# KiCad board protoboard-6x4-breakout.kicad_pcb (continued)
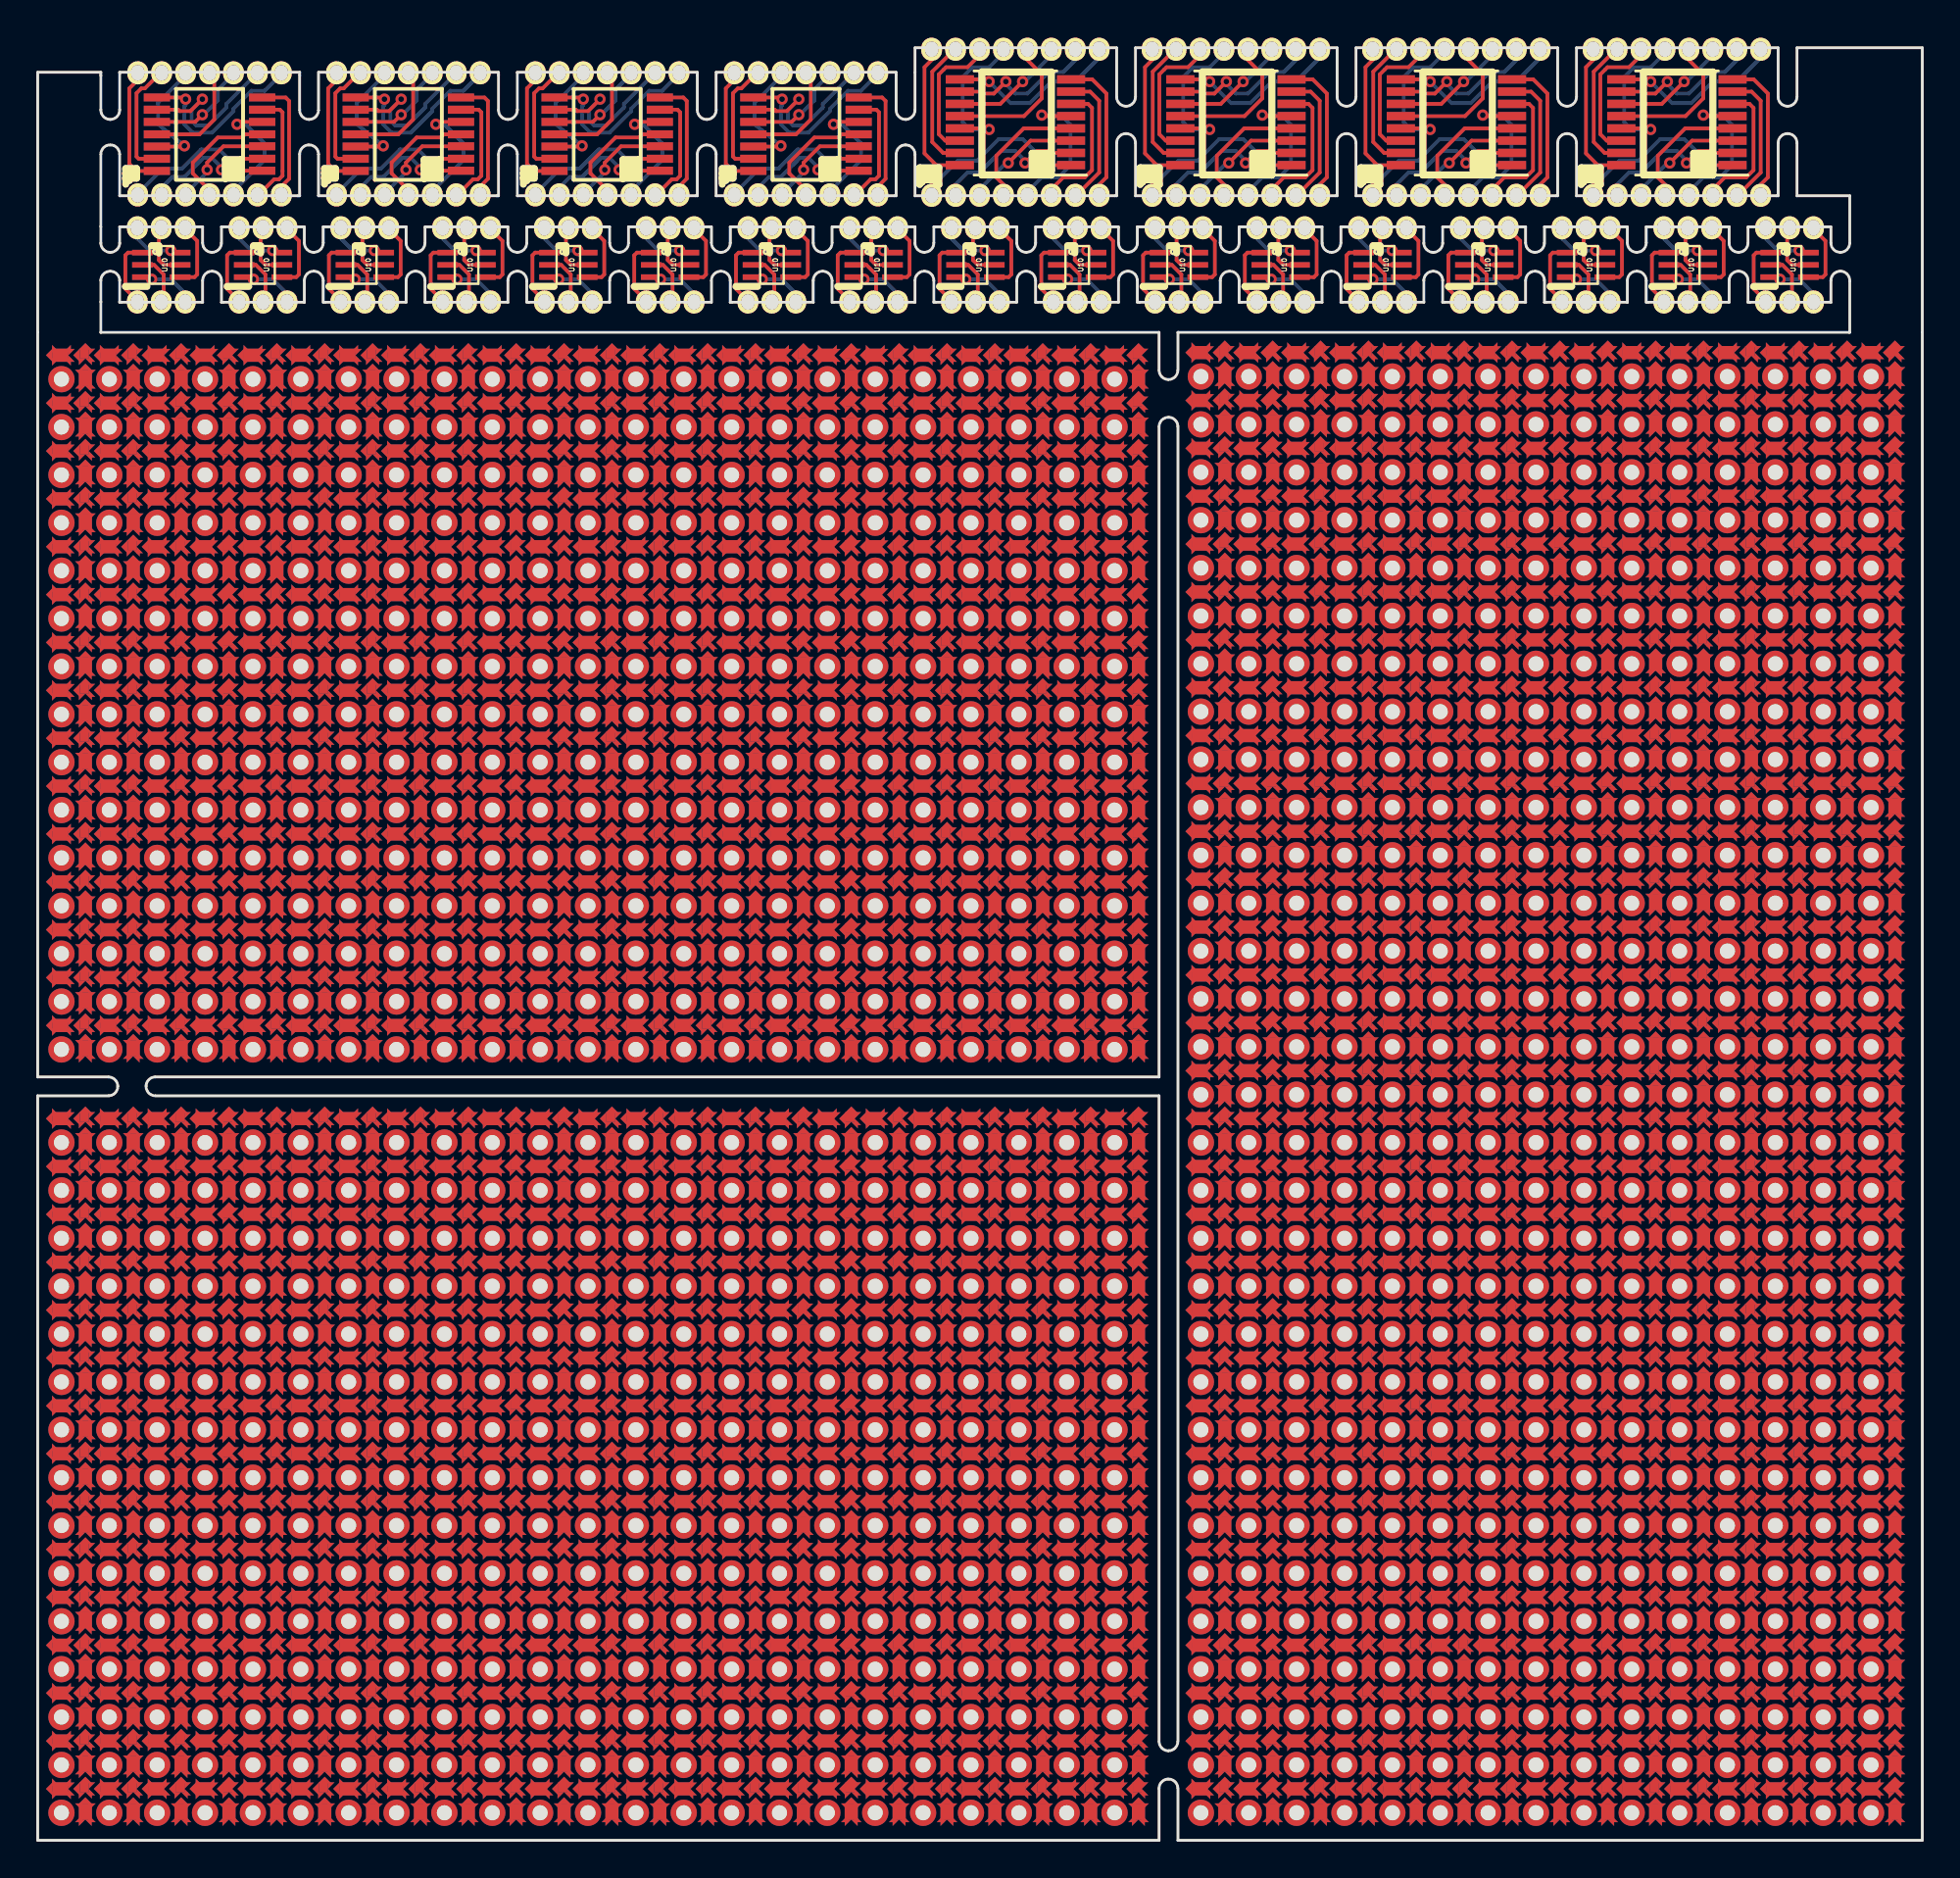
[diagram p0: board, top side]
## Nets (continued)

## Via types
v1: diameter 0.6, hole 0.3, Front to Back, 98 vias

## Routing (per net, layer and track width the routed paths; a pad name or vN(x,y) marks a point on that pad's centre or on a via; arc(x,y) is an arc through that point)
GND: length 57.1
  Front w0.2: U11.8 55.96,93.42 56.71,92.67 56.71,88.23 56.32,87.85 J2#2.8 ; NOREF#9.7 12.93,87.74 13.34,88.15 13.34,92.28 13.16,92.47 NOREF#5.7 ; NOREF#62.7 23.71,92.47 23.89,92.28 23.89,88.15 23.48,87.74 NOREF#55.7 ; NOREF#77.7 44.58,87.74 44.99,88.15 44.99,92.28 44.81,92.47 NOREF#73.7 ; NOREF#82.7 34.26,92.47 34.44,92.28 34.44,88.15 34.03,87.74 NOREF#78.7 ; J2#3.8 68.03,87.85 68.41,88.23 68.41,92.67 67.66,93.42 U11#2.8 ; U11#3.8 79.35,93.42 80.11,92.67 80.11,88.23 79.72,87.85 J2#6.8 ; J2#7.8 91.43,87.85 91.81,88.23 91.81,92.67 91.06,93.42 U11#4.8
VCC: length 57.3
  Front w0.2: U11.16 47.68,88.88 47.05,89.5 47.05,94.07 47.44,94.45 J1#2.8 ; NOREF#8.7 5.31,93.39 4.86,92.95 4.86,88.95 5.24,88.57 NOREF#5.14 ; NOREF#76.7 36.96,93.39 36.51,92.95 36.51,88.95 36.89,88.57 NOREF#73.14 ; NOREF#82.14 26.34,88.57 25.96,88.95 25.96,92.95 26.41,93.39 NOREF#79.7 ; J1#3.8 59.13,94.45 58.75,94.07 58.75,89.5 59.38,88.88 U11#2.16 ; U11#3.16 71.08,88.88 70.45,89.5 70.45,94.07 70.84,94.45 J1#6.8 ; J1#7.8 82.53,94.45 82.15,94.07 82.15,89.5 82.78,88.88 U11#4.16 ; NOREF#62.14 15.79,88.57 15.41,88.95 15.41,92.95 15.86,93.39 NOREF#56.7
N-0000021: length 23.1
  Front w0.2: NOREF#5.10 8.36,91.17 v1(8.74,91.55) ; v1(19.29,91.55) 18.91,91.17 NOREF#62.10 ; NOREF#73.10 40.01,91.17 v1(40.39,91.55) ; v1(29.84,91.55) 29.46,91.17 NOREF#82.10
  Back w0.2: v1(8.74,91.55) 8.8,91.55 9.56,92.31 9.56,92.88 NOREF#8.3 10.39,93.39 ; 20.94,93.39 NOREF#56.3 20.11,92.88 20.11,92.31 19.35,91.55 v1(19.29,91.55) ; v1(40.39,91.55) 40.45,91.55 41.21,92.31 41.21,92.88 NOREF#76.3 42.04,93.39 ; 31.49,93.39 NOREF#79.3 30.66,92.88 30.66,92.31 29.9,91.55 v1(29.84,91.55)
N-0000023: length 26.2
  Front w0.2: v1(7.78,89.9) 7.57,89.86 NOREF#5.12 ; NOREF#62.12 18.12,89.86 v1(18.33,89.9) ; v1(39.43,89.9) 39.22,89.86 NOREF#73.12 ; NOREF#82.12 28.67,89.86 v1(28.88,89.9)
  Back w0.2: NOREF#8.5 7.85,93.65 6.39,92.19 6.39,91.04 v1(7.78,89.9) ; v1(18.33,89.9) 16.94,91.04 16.94,92.19 18.4,93.65 NOREF#56.5 ; NOREF#76.5 39.5,93.65 38.04,92.19 38.04,91.04 v1(39.43,89.9) ; v1(28.88,89.9) 27.49,91.04 27.49,92.19 28.95,93.65 NOREF#79.5
N-0000029: length 123.8
  Front w0.2: 7.56,82.93 8.32,82.93 8.46,83.08 8.46,84.85 NOREF#3.1 ; 5.56,84.23 4.79,84.23 4.65,84.09 4.65,82.31 NOREF#4.1 ; 12.96,82.93 13.72,82.93 13.86,83.08 13.86,84.85 13.23,85.49 ; NOREF#10.1 10.05,82.31 10.05,84.09 10.19,84.23 10.96,84.23 ; 21.76,84.23 20.99,84.23 20.85,84.09 20.85,82.31 NOREF#17.1 ; NOREF#16.1 24.66,84.85 24.66,83.08 24.52,82.93 23.76,82.93 ; 18.36,82.93 19.12,82.93 19.26,83.08 19.26,84.85 NOREF#19.1 ; NOREF#18.1 15.45,82.31 15.45,84.09 15.59,84.23 16.36,84.23 ; 37.96,84.23 37.19,84.23 37.05,84.09 37.05,82.31 37.69,81.68 ; NOREF#24.1 40.86,84.85 40.86,83.08 40.72,82.93 39.96,82.93 ; 45.36,82.93 46.12,82.93 46.26,83.08 46.26,84.85 NOREF#27.1 ; NOREF#26.1 42.45,82.31 42.45,84.09 42.59,84.23 43.36,84.23 ; 32.56,84.23 31.79,84.23 31.65,84.09 31.65,82.31 32.29,81.68 ; NOREF#32.1 35.46,84.85 35.46,83.08 35.32,82.93 34.56,82.93 ; 29.16,82.93 29.92,82.93 30.06,83.08 30.06,84.85 NOREF#35.1 ; NOREF#34.1 26.25,82.31 26.25,84.09 26.39,84.23 27.16,84.23 ; 70.36,84.23 69.59,84.23 69.45,84.09 69.45,82.31 NOREF#41.1 ; NOREF#40.1 73.26,84.85 73.26,83.08 73.12,82.93 72.36,82.93 ; 77.76,82.93 78.52,82.93 78.66,83.08 78.66,84.85 NOREF#43.1 ; NOREF#42.1 74.85,82.31 74.85,84.09 74.99,84.23 75.76,84.23 ; 86.56,84.23 85.79,84.23 85.65,84.09 85.65,82.31 86.29,81.68 ; NOREF#48.1 89.46,84.85 89.46,83.08 89.32,82.93 88.56,82.93 ; 83.16,82.93 83.92,82.93 84.06,83.08 84.06,84.85 NOREF#51.1 ; NOREF#50.1 80.25,82.31 80.25,84.09 80.39,84.23 81.16,84.23 ; 59.56,84.23 58.79,84.23 58.65,84.09 58.65,82.31 59.29,81.68 ; NOREF#88.1 62.46,84.85 62.46,83.08 62.32,82.93 61.56,82.93 ; 66.96,82.93 67.72,82.93 67.86,83.08 67.86,84.85 NOREF#61.1 ; 64.69,81.68 64.05,82.31 64.05,84.09 64.19,84.23 64.96,84.23 ; 54.16,84.23 53.39,84.23 53.25,84.09 53.25,82.31 NOREF#68.1 ; NOREF#67.1 57.06,84.85 57.06,83.08 56.92,82.93 56.16,82.93 ; 50.76,82.93 51.52,82.93 51.66,83.08 51.66,84.85 NOREF#70.1 ; NOREF#69.1 47.85,82.31 47.85,84.09 47.99,84.23 48.76,84.23 ; 91.96,84.23 91.19,84.23 91.05,84.09 91.05,82.31 91.69,81.68 ; NOREF#85.1 94.86,84.85 94.86,83.08 94.72,82.93 93.96,82.93
N-0000030: length 100.3
  Front w0.2: 5.56,83.58 6.18,83.58 6.68,83.08 6.68,81.81 ; 6.68,81.81 NOREF#4.2 6.68,81.81 ; 7.56,83.58 6.68,83.58 6.43,83.84 6.43,85.36 NOREF#3.2 ; 12.08,81.81 NOREF#10.2 12.08,81.81 ; 12.08,81.81 12.08,83.08 11.58,83.58 10.96,83.58 ; NOREF#11.2 11.83,85.36 11.83,83.84 12.08,83.58 12.96,83.58 ; 23.76,83.58 22.88,83.58 22.63,83.84 22.63,85.36 NOREF#16.2 ; 21.76,83.58 22.38,83.58 22.88,83.08 22.88,81.81 ; 22.88,81.81 NOREF#17.2 22.88,81.81 ; 17.48,81.81 NOREF#18.2 17.48,81.81 ; 17.48,81.81 17.48,83.08 16.98,83.58 16.36,83.58 ; NOREF#19.2 17.23,85.36 17.23,83.84 17.48,83.58 18.36,83.58 ; 39.96,83.58 39.08,83.58 38.83,83.84 38.83,85.36 NOREF#24.2 ; 37.96,83.58 38.58,83.58 39.08,83.08 39.08,81.81 ; 39.08,81.81 NOREF#25.2 39.08,81.81 ; 44.48,81.81 NOREF#26.2 44.48,81.81 ; 44.48,81.81 44.48,83.08 43.98,83.58 43.36,83.58 ; NOREF#27.2 44.23,85.36 44.23,83.84 44.48,83.58 45.36,83.58 ; 34.56,83.58 33.68,83.58 33.43,83.84 33.43,85.36 NOREF#32.2 ; 32.56,83.58 33.18,83.58 33.68,83.08 33.68,81.81 ; 33.68,81.81 NOREF#33.2 33.68,81.81 ; 28.28,81.81 NOREF#34.2 28.28,81.81 ; 28.28,81.81 28.28,83.08 27.78,83.58 27.16,83.58 ; NOREF#35.2 28.03,85.36 28.03,83.84 28.28,83.58 29.16,83.58 ; 72.36,83.58 71.48,83.58 71.23,83.84 71.23,85.36 NOREF#40.2 ; 70.36,83.58 70.98,83.58 71.48,83.08 71.48,81.81 ; 71.48,81.81 NOREF#41.2 71.48,81.81 ; 76.88,81.81 NOREF#42.2 76.88,81.81 ; 76.88,81.81 76.88,83.08 76.38,83.58 75.76,83.58 ; NOREF#43.2 76.63,85.36 76.63,83.84 76.88,83.58 77.76,83.58 ; 88.56,83.58 87.68,83.58 87.43,83.84 87.43,85.36 NOREF#48.2 ; 86.56,83.58 87.18,83.58 87.68,83.08 87.68,81.81 ; 87.68,81.81 NOREF#49.2 87.68,81.81 ; 82.28,81.81 NOREF#50.2 82.28,81.81 ; 82.28,81.81 82.28,83.08 81.78,83.58 81.16,83.58 ; NOREF#51.2 82.03,85.36 82.03,83.84 82.28,83.58 83.16,83.58 ; 61.56,83.58 60.68,83.58 60.43,83.84 60.43,85.36 NOREF#88.2 ; 59.56,83.58 60.18,83.58 60.68,83.08 60.68,81.81 ; 60.68,81.81 NOREF#58.2 60.68,81.81 ; 66.08,81.81 NOREF#60.2 66.08,81.81 ; 66.08,81.81 66.08,83.08 65.58,83.58 64.96,83.58 ; NOREF#61.2 65.83,85.36 65.83,83.84 66.08,83.58 66.96,83.58 ; 56.16,83.58 55.28,83.58 55.03,83.84 55.03,85.36 NOREF#67.2 ; 54.16,83.58 54.78,83.58 55.28,83.08 55.28,81.81 ; 55.28,81.81 NOREF#68.2 55.28,81.81 ; 49.88,81.81 NOREF#69.2 49.88,81.81 ; 49.88,81.81 49.88,83.08 49.38,83.58 48.76,83.58 ; NOREF#70.2 49.63,85.36 49.63,83.84 49.88,83.58 50.76,83.58 ; 93.96,83.58 93.08,83.58 92.83,83.84 92.83,85.36 NOREF#85.2 ; 91.96,83.58 92.58,83.58 93.08,83.08 93.08,81.81 ; 93.08,81.81 NOREF#86.2 93.08,81.81
N-0000032: length 110.2
  Front w0.2: 7.56,84.23 7.18,84.23 v1(7.06,84.35) ; v1(6.05,82.82) 5.94,82.93 5.56,82.93 ; v1(12.47,84.35) 12.58,84.23 12.96,84.23 ; 10.96,82.93 11.34,82.93 v1(11.45,82.82) ; v1(22.25,82.82) 22.14,82.93 21.76,82.93 ; 23.76,84.23 23.38,84.23 v1(23.26,84.35) ; v1(17.87,84.35) 17.98,84.23 18.36,84.23 ; 16.36,82.93 16.74,82.93 v1(16.85,82.82) ; v1(38.45,82.82) 38.34,82.93 37.96,82.93 ; 39.96,84.23 39.58,84.23 v1(39.47,84.35) ; v1(44.87,84.35) 44.98,84.23 45.36,84.23 ; 43.36,82.93 43.74,82.93 v1(43.85,82.82) ; v1(33.05,82.82) 32.94,82.93 32.56,82.93 ; 34.56,84.23 34.18,84.23 v1(34.06,84.35) ; v1(28.66,84.35) 28.78,84.23 29.16,84.23 ; 27.16,82.93 27.54,82.93 v1(27.65,82.82) ; v1(70.85,82.82) 70.74,82.93 70.36,82.93 ; 72.36,84.23 71.98,84.23 v1(71.87,84.35) ; v1(77.26,84.35) 77.38,84.23 77.76,84.23 ; 75.76,82.93 76.14,82.93 v1(76.25,82.82) ; v1(87.05,82.82) 86.94,82.93 86.56,82.93 ; 88.56,84.23 88.18,84.23 v1(88.06,84.35) ; v1(82.66,84.35) 82.78,84.23 83.16,84.23 ; 81.16,82.93 81.54,82.93 v1(81.65,82.82) ; v1(60.05,82.82) 59.94,82.93 59.56,82.93 ; 61.56,84.23 61.18,84.23 v1(61.06,84.35) ; v1(92.45,82.82) 92.34,82.93 91.96,82.93 ; 93.96,84.23 93.58,84.23 v1(93.47,84.35) ; v1(55.66,84.35) 55.78,84.23 56.16,84.23 ; v1(50.26,84.35) 50.38,84.23 50.76,84.23 ; 54.16,82.93 54.54,82.93 v1(54.65,82.82) ; v1(49.25,82.82) 49.14,82.93 48.76,82.93 ; 66.96,84.23 66.58,84.23 v1(66.47,84.35) ; 64.96,82.93 65.34,82.93 v1(65.45,82.82)
  Back w0.2: v1(7.06,84.35) 5.92,84.35 5.29,84.98 NOREF#3.3 ; v1(6.05,82.82) 7.06,82.82 7.83,82.06 ; 7.83,82.06 NOREF#4.3 7.83,82.06 ; v1(12.47,84.35) 11.32,84.35 10.69,84.98 NOREF#11.3 ; v1(11.45,82.82) 12.47,82.82 13.23,82.06 ; 13.23,82.06 13.23,81.68 13.23,82.06 ; 24.03,82.06 23.26,82.82 v1(22.25,82.82) ; 24.03,82.06 NOREF#17.3 24.03,82.06 ; NOREF#16.3 21.49,84.98 22.12,84.35 v1(23.26,84.35) ; v1(17.87,84.35) 16.72,84.35 16.09,84.98 NOREF#19.3 ; v1(16.85,82.82) 17.87,82.82 18.63,82.06 ; 18.63,82.06 NOREF#18.3 18.63,82.06 ; 40.23,82.06 39.47,82.82 v1(38.45,82.82) ; 40.23,82.06 NOREF#25.3 40.23,82.06 ; 37.69,85.49 37.69,84.98 38.32,84.35 v1(39.47,84.35) ; v1(44.87,84.35) 43.72,84.35 43.09,84.98 NOREF#27.3 ; v1(43.85,82.82) 44.87,82.82 45.63,82.06 ; 45.63,82.06 NOREF#26.3 45.63,82.06 ; 34.83,82.06 34.06,82.82 v1(33.05,82.82) ; 34.83,82.06 NOREF#33.3 34.83,82.06 ; 32.29,85.49 32.29,84.98 32.92,84.35 v1(34.06,84.35) ; v1(28.66,84.35) 27.52,84.35 26.89,84.98 NOREF#35.3 ; v1(27.65,82.82) 28.66,82.82 29.43,82.06 ; 29.43,82.06 NOREF#34.3 29.43,82.06 ; 72.63,82.06 71.87,82.82 v1(70.85,82.82) ; 72.63,82.06 NOREF#41.3 72.63,82.06 ; NOREF#40.3 70.09,84.98 70.72,84.35 v1(71.87,84.35) ; v1(77.26,84.35) 76.12,84.35 75.49,84.98 NOREF#43.3 ; v1(76.25,82.82) 77.26,82.82 78.03,82.06 ; 78.03,82.06 NOREF#42.3 78.03,82.06 ; 88.83,82.06 88.06,82.82 v1(87.05,82.82) ; 88.83,82.06 NOREF#49.3 88.83,82.06 ; 86.29,85.49 86.29,84.98 86.92,84.35 v1(88.06,84.35) ; v1(82.66,84.35) 81.52,84.35 80.89,84.98 NOREF#51.3 ; v1(81.65,82.82) 82.66,82.82 83.43,82.06 ; 83.43,82.06 NOREF#50.3 83.43,82.06 ; 61.83,82.06 61.06,82.82 v1(60.05,82.82) ; 61.83,82.06 NOREF#58.3 61.83,82.06 ; 59.29,85.49 59.29,84.98 59.92,84.35 v1(61.06,84.35) ; 51.03,82.06 50.26,82.82 v1(49.25,82.82) ; 51.03,82.06 NOREF#69.3 51.03,82.06 ; 94.23,82.06 93.47,82.82 v1(92.45,82.82) ; 94.23,82.06 NOREF#86.3 94.23,82.06 ; 91.69,85.49 91.69,84.98 92.32,84.35 v1(93.47,84.35) ; NOREF#67.3 53.89,84.98 54.52,84.35 v1(55.66,84.35) ; v1(54.65,82.82) 55.66,82.82 56.43,82.06 ; 67.23,82.06 NOREF#60.3 67.23,82.06 ; 67.23,82.06 66.47,82.82 v1(65.45,82.82) ; 56.43,82.06 NOREF#68.3 56.43,82.06 ; v1(66.47,84.35) 65.32,84.35 64.69,84.98 64.69,85.49 ; v1(50.26,84.35) 49.12,84.35 48.49,84.98 NOREF#70.3
N-0000055: length 26.1
  Front w0.2: NOREF#5.4 11,90.51 10.83,90.34 9.56,90.34 8.23,89.01 8.23,88.44 9.12,87.55 ; 9.12,87.55 NOREF#9.4 9.12,87.55 ; 19.67,87.55 NOREF#55.4 19.67,87.55 ; 19.67,87.55 18.78,88.44 18.78,89.01 20.11,90.34 21.38,90.34 21.55,90.51 NOREF#62.4 ; 40.77,87.55 39.88,88.44 39.88,89.01 41.21,90.34 42.48,90.34 42.65,90.51 NOREF#73.4 ; 40.77,87.55 NOREF#77.4 40.77,87.55 ; 30.22,87.55 NOREF#78.4 30.22,87.55 ; 30.22,87.55 29.33,88.44 29.33,89.01 30.66,90.34 31.93,90.34 32.1,90.51 NOREF#82.4
N-0000056: length 31.9
  Front w0.2: NOREF#5.2 10.95,89.21 10.9,89.27 10.13,89.27 9.75,88.76 v1(9.75,88.63) ; v1(20.3,88.63) 20.3,88.76 20.68,89.27 21.45,89.27 21.5,89.21 NOREF#62.2 ; NOREF#73.2 42.6,89.21 42.55,89.27 41.78,89.27 41.4,88.76 v1(41.4,88.63) ; v1(30.85,88.63) 30.85,88.76 31.23,89.27 32,89.27 32.05,89.21 NOREF#82.2
  Back w0.2: 8.61,89.07 7.78,88.25 7.15,88.25 6.58,87.68 NOREF#9.2 ; 8.61,89.07 8.8,89.27 9.24,89.27 9.75,88.76 v1(9.75,88.63) 9.69,88.69 ; 8.61,89.07 8.42,88.88 ; NOREF#9.2 6.58,87.74 ; NOREF#9.2 6.58,87.55 ; 17.13,87.55 NOREF#55.2 ; NOREF#55.2 17.13,87.74 ; NOREF#55.2 17.13,87.68 17.7,88.25 18.33,88.25 19.16,89.07 ; 20.24,88.69 v1(20.3,88.63) 20.3,88.76 19.79,89.27 19.35,89.27 19.16,89.07 ; 18.97,88.88 19.16,89.07 ; 40.26,89.07 39.43,88.25 38.8,88.25 38.23,87.68 NOREF#77.2 ; 40.26,89.07 40.45,89.27 40.89,89.27 41.4,88.76 v1(41.4,88.63) 41.34,88.69 ; 40.26,89.07 40.07,88.88 ; NOREF#77.2 38.23,87.74 ; NOREF#77.2 38.23,87.55 ; 27.68,87.55 NOREF#78.2 ; NOREF#78.2 27.68,87.74 ; NOREF#78.2 27.68,87.68 28.25,88.25 28.88,88.25 29.71,89.07 ; 30.79,88.69 v1(30.85,88.63) 30.85,88.76 30.34,89.27 29.9,89.27 29.71,89.07 ; 29.52,88.88 29.71,89.07
N-0000057: length 35.7
  Front w0.2: NOREF#5.9 7.45,91.82 7.53,91.74 8.1,91.74 v1(8.74,92.38) ; v1(19.29,92.38) 18.65,91.74 18.08,91.74 18,91.82 NOREF#62.9 ; NOREF#73.9 39.1,91.82 39.18,91.74 39.75,91.74 v1(40.39,92.38) ; v1(29.84,92.38) 29.2,91.74 28.63,91.74 28.55,91.82 NOREF#82.9
  Back w0.2: v1(8.74,92.38) 8.17,91.81 8.17,91.23 8.42,90.98 9.05,90.98 10.01,91.93 10.01,92.12 11.59,93.71 NOREF#8.2 ; NOREF#56.2 22.14,93.71 20.56,92.12 20.56,91.93 19.6,90.98 18.97,90.98 18.72,91.23 18.72,91.81 v1(19.29,92.38) ; v1(40.39,92.38) 39.81,91.81 39.81,91.23 40.07,90.98 40.7,90.98 41.66,91.93 41.66,92.12 43.24,93.71 NOREF#76.2 ; NOREF#79.2 32.69,93.71 31.11,92.12 31.11,91.93 30.15,90.98 29.52,90.98 29.26,91.23 29.26,91.81 v1(29.84,92.38)
N-0000058: length 32.6
  Front w0.2: NOREF#5.1 10.57,88.58 v1(10.51,88.63) ; v1(21.06,88.63) 21.12,88.58 NOREF#62.1 ; NOREF#73.1 42.22,88.58 v1(42.16,88.63) ; v1(31.61,88.63) 31.67,88.58 NOREF#82.1
  Back w0.2: v1(10.51,88.63) 10.51,88.82 9.63,89.71 8.67,89.71 7.66,88.69 6.64,88.69 NOREF#9.1 ; NOREF#55.1 17.19,88.69 18.21,88.69 19.22,89.71 20.18,89.71 21.06,88.82 v1(21.06,88.63) ; v1(42.16,88.63) 42.16,88.82 41.28,89.71 40.32,89.71 39.31,88.69 38.29,88.69 NOREF#77.1 ; NOREF#78.1 27.74,88.69 28.76,88.69 29.77,89.71 30.73,89.71 31.61,88.82 v1(31.61,88.63)
N-0000059: length 21.6
  Front w0.2: v1(8.99,88.63) 8.99,89.01 9.85,89.87 NOREF#5.3 ; v1(19.54,88.63) 19.54,89.01 20.4,89.87 NOREF#62.3 ; v1(40.64,88.63) 40.64,89.01 41.5,89.87 NOREF#73.3 ; NOREF#82.3 30.95,89.87 30.09,89.01 v1(30.09,88.63)
  Back w0.2: v1(8.99,88.63) 8.99,88.5 NOREF#9.3 ; NOREF#55.3 19.54,88.5 v1(19.54,88.63) ; v1(40.64,88.63) 40.64,88.5 NOREF#77.3 ; NOREF#78.3 30.09,88.5 v1(30.09,88.63)
N-0000060: length 24.9
  Front w0.2: NOREF#5.6 12.85,91.82 12.99,91.68 12.99,88.31 12.8,88.12 12.55,88.12 11.78,87.36 NOREF#9.6 ; NOREF#55.6 22.33,87.36 23.1,88.12 23.35,88.12 23.54,88.31 23.54,91.68 23.4,91.82 NOREF#62.6 ; NOREF#73.6 44.5,91.82 44.64,91.68 44.64,88.31 44.45,88.12 44.2,88.12 43.43,87.36 NOREF#77.6 ; NOREF#78.6 32.88,87.36 33.65,88.12 33.9,88.12 34.09,88.31 34.09,91.68 33.95,91.82 NOREF#82.6
N-0000061: length 39.2
  Front w0.2: NOREF#5.8 7.76,92.47 v1(7.85,92.38) ; NOREF#73.8 39.41,92.47 v1(39.5,92.38) ; v1(28.95,92.38) 28.86,92.47 NOREF#82.8 ; v1(18.4,92.38) 18.31,92.47 NOREF#62.8
  Back w0.2: v1(7.85,92.38) 7.85,92.06 7.78,92 7.78,91.04 8.23,90.6 9.24,90.6 10.39,91.74 10.39,91.87 11.34,92.82 12.04,92.82 NOREF#8.1 12.93,93.52 ; v1(39.5,92.38) 39.5,92.06 39.43,92 39.43,91.04 39.88,90.6 40.89,90.6 42.04,91.74 42.04,91.87 42.99,92.82 43.69,92.82 NOREF#76.1 44.58,93.52 ; 34.03,93.52 NOREF#79.1 33.14,92.82 32.44,92.82 31.49,91.87 31.49,91.74 30.34,90.6 29.33,90.6 28.88,91.04 28.88,92 28.95,92.06 v1(28.95,92.38) ; 23.48,93.52 NOREF#56.1 22.59,92.82 21.89,92.82 20.94,91.87 20.94,91.74 19.79,90.6 18.78,90.6 18.33,91.04 18.33,92 18.4,92.06 v1(18.4,92.38)
N-0000062: length 24.6
  Front w0.2: NOREF#5.11 8.58,90.51 9.37,91.3 9.37,93.46 NOREF#8.4 9.12,93.46 ; NOREF#73.11 40.23,90.51 41.02,91.3 41.02,93.46 NOREF#76.4 40.77,93.46 ; 30.22,93.46 NOREF#79.4 30.47,93.46 30.47,91.3 29.68,90.51 NOREF#82.11 ; 19.67,93.46 NOREF#56.4 19.92,93.46 19.92,91.3 19.13,90.51 NOREF#62.11
N-0000063: length 25
  Front w0.2: NOREF#8.6 6.45,93.71 5.69,92.95 5.5,92.95 5.24,92.69 5.24,89.33 5.36,89.21 NOREF#5.13 ; NOREF#76.6 38.1,93.71 37.34,92.95 37.15,92.95 36.89,92.69 36.89,89.33 37.01,89.21 NOREF#73.13 ; NOREF#82.13 26.46,89.21 26.34,89.33 26.34,92.69 26.6,92.95 26.79,92.95 27.55,93.71 NOREF#79.6 ; NOREF#56.6 17,93.71 16.24,92.95 16.05,92.95 15.79,92.69 15.79,89.33 15.91,89.21 NOREF#62.13
N-0000064: length 26.5
  Front w0.2: NOREF#5.5 10.7,91.17 v1(10.58,91.04) ; NOREF#73.5 42.35,91.17 v1(42.23,91.04) ; v1(31.68,91.04) 31.81,91.17 NOREF#82.5 ; v1(21.13,91.04) 21.25,91.17 NOREF#62.5
  Back w0.2: v1(10.58,91.04) 11.02,91.04 12.04,90.03 12.04,89.14 10.39,87.49 NOREF#9.5 ; v1(42.23,91.04) 42.67,91.04 43.69,90.03 43.69,89.14 42.04,87.49 NOREF#77.5 ; NOREF#78.5 31.49,87.49 33.14,89.14 33.14,90.03 32.12,91.04 v1(31.68,91.04) ; NOREF#55.5 20.94,87.49 22.59,89.14 22.59,90.03 21.57,91.04 v1(21.13,91.04)
Net-(J1-Pad1): length 37.2
  Front w0.2: v1(50.48,93.31) 50.37,93.42 U11.9 ; v1(62.18,93.31) 62.07,93.42 U11#2.9 ; U11#3.9 73.77,93.42 v1(73.88,93.31) ; v1(85.58,93.31) 85.47,93.42 U11#4.9
  Back w0.2: J1#2.1 56.32,94.58 55.06,93.31 53.78,93.31 52.64,92.17 51.63,92.17 v1(50.48,93.31) ; v1(62.18,93.31) 63.33,92.17 64.34,92.17 65.49,93.31 66.75,93.31 68.03,94.58 J1#3.1 ; J1#6.1 79.72,94.58 78.46,93.31 77.19,93.31 76.04,92.17 75.03,92.17 v1(73.88,93.31) ; v1(85.58,93.31) 86.73,92.17 87.74,92.17 88.88,93.31 90.16,93.31 91.43,94.58 J1#7.1
Net-(J1-Pad2): length 32
  Front w0.2: v1(51.37,93.31) 50.74,92.67 50.1,92.67 50,92.78 U11.10 ; v1(63.07,93.31) 62.44,92.67 61.8,92.67 61.7,92.78 U11#2.10 ; U11#3.10 73.4,92.78 73.5,92.67 74.14,92.67 v1(74.77,93.31) ; v1(86.47,93.31) 85.84,92.67 85.2,92.67 85.1,92.78 U11#4.10
  Back w0.2: J1#2.2 55.06,94.45 54.42,93.82 53.66,93.82 52.51,92.67 51.88,92.67 51.37,93.18 v1(51.37,93.31) ; v1(63.07,93.31) 63.07,93.18 63.58,92.67 64.22,92.67 65.36,93.82 66.12,93.82 66.75,94.45 J1#3.2 ; J1#6.2 78.46,94.45 77.82,93.82 77.06,93.82 75.91,92.67 75.28,92.67 74.77,93.18 v1(74.77,93.31) ; v1(86.47,93.31) 86.47,93.18 86.98,92.67 87.62,92.67 88.76,93.82 89.52,93.82 90.16,94.45 J1#7.2
Net-(J1-Pad3): length 24.7
  Front w0.2: v1(52.26,93.31) 51.08,92.12 U11.11 ; v1(63.96,93.31) 62.78,92.12 U11#2.11 ; U11#3.11 74.48,92.12 v1(75.66,93.31) ; v1(87.36,93.31) 86.18,92.12 U11#4.11
  Back w0.2: J1#2.3 53.78,94.71 52.39,93.31 v1(52.26,93.31) ; v1(63.96,93.31) 64.09,93.31 65.49,94.71 J1#3.3 ; J1#6.3 77.19,94.71 75.79,93.31 v1(75.66,93.31) ; v1(87.36,93.31) 87.49,93.31 88.88,94.71 J1#7.3
Net-(J1-Pad4): length 30.4
  Front w0.2: U11.12 52.33,91.47 53.28,92.42 53.28,93.69 52.51,94.45 J1#2.4 ; J1#3.4 64.22,94.45 64.98,93.69 64.98,92.42 64.03,91.47 U11#2.12 ; U11#3.12 75.73,91.47 76.68,92.42 76.68,93.69 75.91,94.45 J1#6.4 ; 87.62,94.96 87.62,94.45 88.38,93.69 88.38,92.42 87.43,91.47 U11#4.12
Net-(J1-Pad5): length 33.4
  Front w0.2: v1(50.48,90.77) 50.43,90.83 U11.13 ; v1(62.18,90.77) 62.13,90.83 U11#2.13 ; U11#3.13 73.83,90.83 v1(73.88,90.77) ; v1(85.58,90.77) 85.53,90.83 U11#4.13
  Back w0.2: 62.94,94.96 62.94,94.83 62.18,94.07 61.29,94.07 60.79,93.56 60.79,91.15 61.17,90.77 v1(62.18,90.77) ; v1(73.88,90.77) 72.87,90.77 72.49,91.15 72.49,93.56 72.99,94.07 73.88,94.07 74.65,94.83 J1#6.5 ; J1#7.5 86.34,94.83 85.58,94.07 84.69,94.07 84.19,93.56 84.19,91.15 84.57,90.77 v1(85.58,90.77) ; v1(50.48,90.77) 49.47,90.77 49.09,91.15 49.09,93.56 49.59,94.07 50.48,94.07 51.25,94.83 J1#2.5
Net-(J1-Pad6): length 30.6
  Front w0.2: U11.14 48.16,90.17 47.82,90.52 47.82,93.69 48.2,94.07 49.34,94.07 49.97,94.71 J1#2.6 49.97,94.58 ; U11#2.14 59.86,90.17 59.52,90.52 59.52,93.69 59.9,94.07 61.04,94.07 61.68,94.71 J1#3.6 61.68,94.58 ; 73.38,94.58 J1#6.6 73.38,94.71 72.74,94.07 71.6,94.07 71.22,93.69 71.22,90.52 71.56,90.17 U11#3.14 ; U11#4.14 83.26,90.17 82.92,90.52 82.92,93.69 83.3,94.07 84.44,94.07 85.07,94.71 J1#7.6 85.07,94.58
Net-(J1-Pad7): length 28.6
  Front w0.2: U11.15 48.04,89.53 47.47,90.1 47.47,93.83 48.59,94.96 J1#2.7 ; J1#3.7 60.29,94.96 59.17,93.83 59.17,90.1 59.74,89.53 U11#2.15 ; U11#3.15 71.44,89.53 70.87,90.1 70.87,93.83 71.99,94.96 J1#6.7 ; J1#7.7 83.69,94.96 82.57,93.83 82.57,90.1 83.14,89.53 U11#4.15
Net-(J2-Pad1): length 38.2
  Front w0.2: v1(53.28,88.99) 53.39,88.88 U11.1 ; U11#2.1 65.09,88.88 v1(64.98,88.99) ; v1(76.68,88.99) 76.79,88.88 U11#3.1 ; U11#4.1 88.49,88.88 v1(88.38,88.99)
  Back w0.2: J2#2.1 47.44,87.72 48.83,89.12 49.85,89.12 50.99,90.26 52.26,90.26 53.28,89.25 v1(53.28,88.99) ; v1(64.98,88.99) 64.98,89.25 63.96,90.26 62.69,90.26 61.55,89.12 60.53,89.12 59.13,87.72 J2#3.1 ; J2#6.1 70.84,87.72 72.23,89.12 73.25,89.12 74.39,90.26 75.66,90.26 76.68,89.25 v1(76.68,88.99) ; v1(88.38,88.99) 88.38,89.25 87.36,90.26 86.09,90.26 84.95,89.12 83.93,89.12 82.53,87.72 J2#7.1
Net-(J2-Pad2): length 32
  Front w0.2: v1(52.39,88.99) 53.02,89.63 53.78,89.63 53.89,89.53 U11.2 ; U11#2.2 65.59,89.53 65.49,89.63 64.72,89.63 v1(64.09,88.99) ; v1(75.79,88.99) 76.42,89.63 77.19,89.63 77.29,89.53 U11#3.2 ; U11#4.2 88.99,89.53 88.88,89.63 88.12,89.63 v1(87.49,88.99)
  Back w0.2: J2#2.2 48.71,87.85 49.34,88.48 49.97,88.48 51.12,89.63 51.88,89.63 52.39,89.12 v1(52.39,88.99) ; v1(64.09,88.99) 64.09,89.12 63.58,89.63 62.82,89.63 61.68,88.48 61.04,88.48 60.41,87.85 J2#3.2 ; J2#6.2 72.1,87.85 72.74,88.48 73.38,88.48 74.52,89.63 75.28,89.63 75.79,89.12 v1(75.79,88.99) ; v1(87.49,88.99) 87.49,89.12 86.98,89.63 86.22,89.63 85.07,88.48 84.44,88.48 83.81,87.85 J2#7.2
Net-(J2-Pad3): length 24.7
  Front w0.2: v1(51.5,88.99) 52.68,90.17 U11.3 ; U11#2.3 64.38,90.17 v1(63.2,88.99) ; v1(74.9,88.99) 76.08,90.17 U11#3.3 ; U11#4.3 87.78,90.17 v1(86.6,88.99)
  Back w0.2: J2#2.3 49.97,87.59 51.37,88.99 v1(51.5,88.99) ; v1(63.2,88.99) 63.07,88.99 61.68,87.59 J2#3.3 ; J2#6.3 73.38,87.59 74.77,88.99 v1(74.9,88.99) ; v1(86.6,88.99) 86.47,88.99 85.07,87.59 J2#7.3
Net-(J2-Pad4): length 27
  Front w0.2: J2#2.4 51.25,87.85 50.86,88.23 50.86,89.37 52.32,90.83 U11.4 ; U11#2.4 64.02,90.83 62.56,89.37 62.56,88.23 62.94,87.85 62.94,87.34 ; J2#6.4 74.65,87.85 74.26,88.23 74.26,89.37 75.72,90.83 U11#3.4 ; U11#4.4 87.42,90.83 85.96,89.37 85.96,88.23 86.34,87.85 J2#7.4
Net-(J2-Pad5): length 35.4
  Front w0.2: v1(53.28,91.53) 53.33,91.47 U11.5 ; U11#2.5 65.03,91.47 v1(64.98,91.53) ; v1(76.68,91.53) 76.73,91.47 U11#3.5 ; U11#4.5 88.43,91.47 v1(88.38,91.53)
  Back w0.2: 52.51,87.72 J2#2.5 52.51,87.47 53.28,88.23 54.17,88.23 54.8,88.86 54.8,91.02 54.29,91.53 v1(53.28,91.53) ; v1(64.98,91.53) 65.99,91.53 66.5,91.02 66.5,88.86 65.87,88.23 64.98,88.23 64.22,87.47 J2#3.5 64.22,87.72 ; 75.91,87.72 J2#6.5 75.91,87.47 76.68,88.23 77.57,88.23 78.2,88.86 78.2,91.02 77.69,91.53 v1(76.68,91.53) ; v1(88.38,91.53) 89.39,91.53 89.9,91.02 89.9,88.86 89.27,88.23 88.38,88.23 87.62,87.47 87.62,87.34 87.62,87.72
Net-(J2-Pad6): length 29.4
  Front w0.2: U11.6 55.73,92.12 55.94,91.91 55.94,88.61 55.56,88.23 54.42,88.23 53.78,87.59 J2#2.6 ; J2#3.6 65.49,87.59 66.12,88.23 67.26,88.23 67.64,88.61 67.64,91.91 67.43,92.12 U11#2.6 ; U11#3.6 79.13,92.12 79.34,91.91 79.34,88.61 78.96,88.23 77.82,88.23 77.19,87.59 J2#6.6 ; J2#7.6 88.88,87.59 89.52,88.23 90.66,88.23 91.04,88.61 91.04,91.91 90.83,92.12 U11#4.6
Net-(J2-Pad7): length 29
  Front w0.2: U11.7 55.84,92.78 56.32,92.29 56.32,88.48 55.18,87.34 J2#2.7 ; J2#3.7 66.88,87.34 68.03,88.48 68.03,92.29 67.54,92.78 U11#2.7 ; U11#3.7 79.24,92.78 79.72,92.29 79.72,88.48 78.58,87.34 J2#6.7 ; J2#7.7 90.28,87.34 91.43,88.48 91.43,92.29 90.94,92.78 U11#4.7

## Text on the board
B.Silkscreen: SC70 | TSSOP14 | TSSOP16
